# Altium PCB Rectifire_(PFC).PcbDoc
Units mil, origin at the board's own origin, x right, y up, seen from the top; angles counter-clockwise.
Board outline 6000 x 4000 mil, 2 copper layers (Top Layer, Bottom Layer); 232 components, 115 nets, 606 pads, 0 vias.
Unrouted connection lines stored in the file: 481.
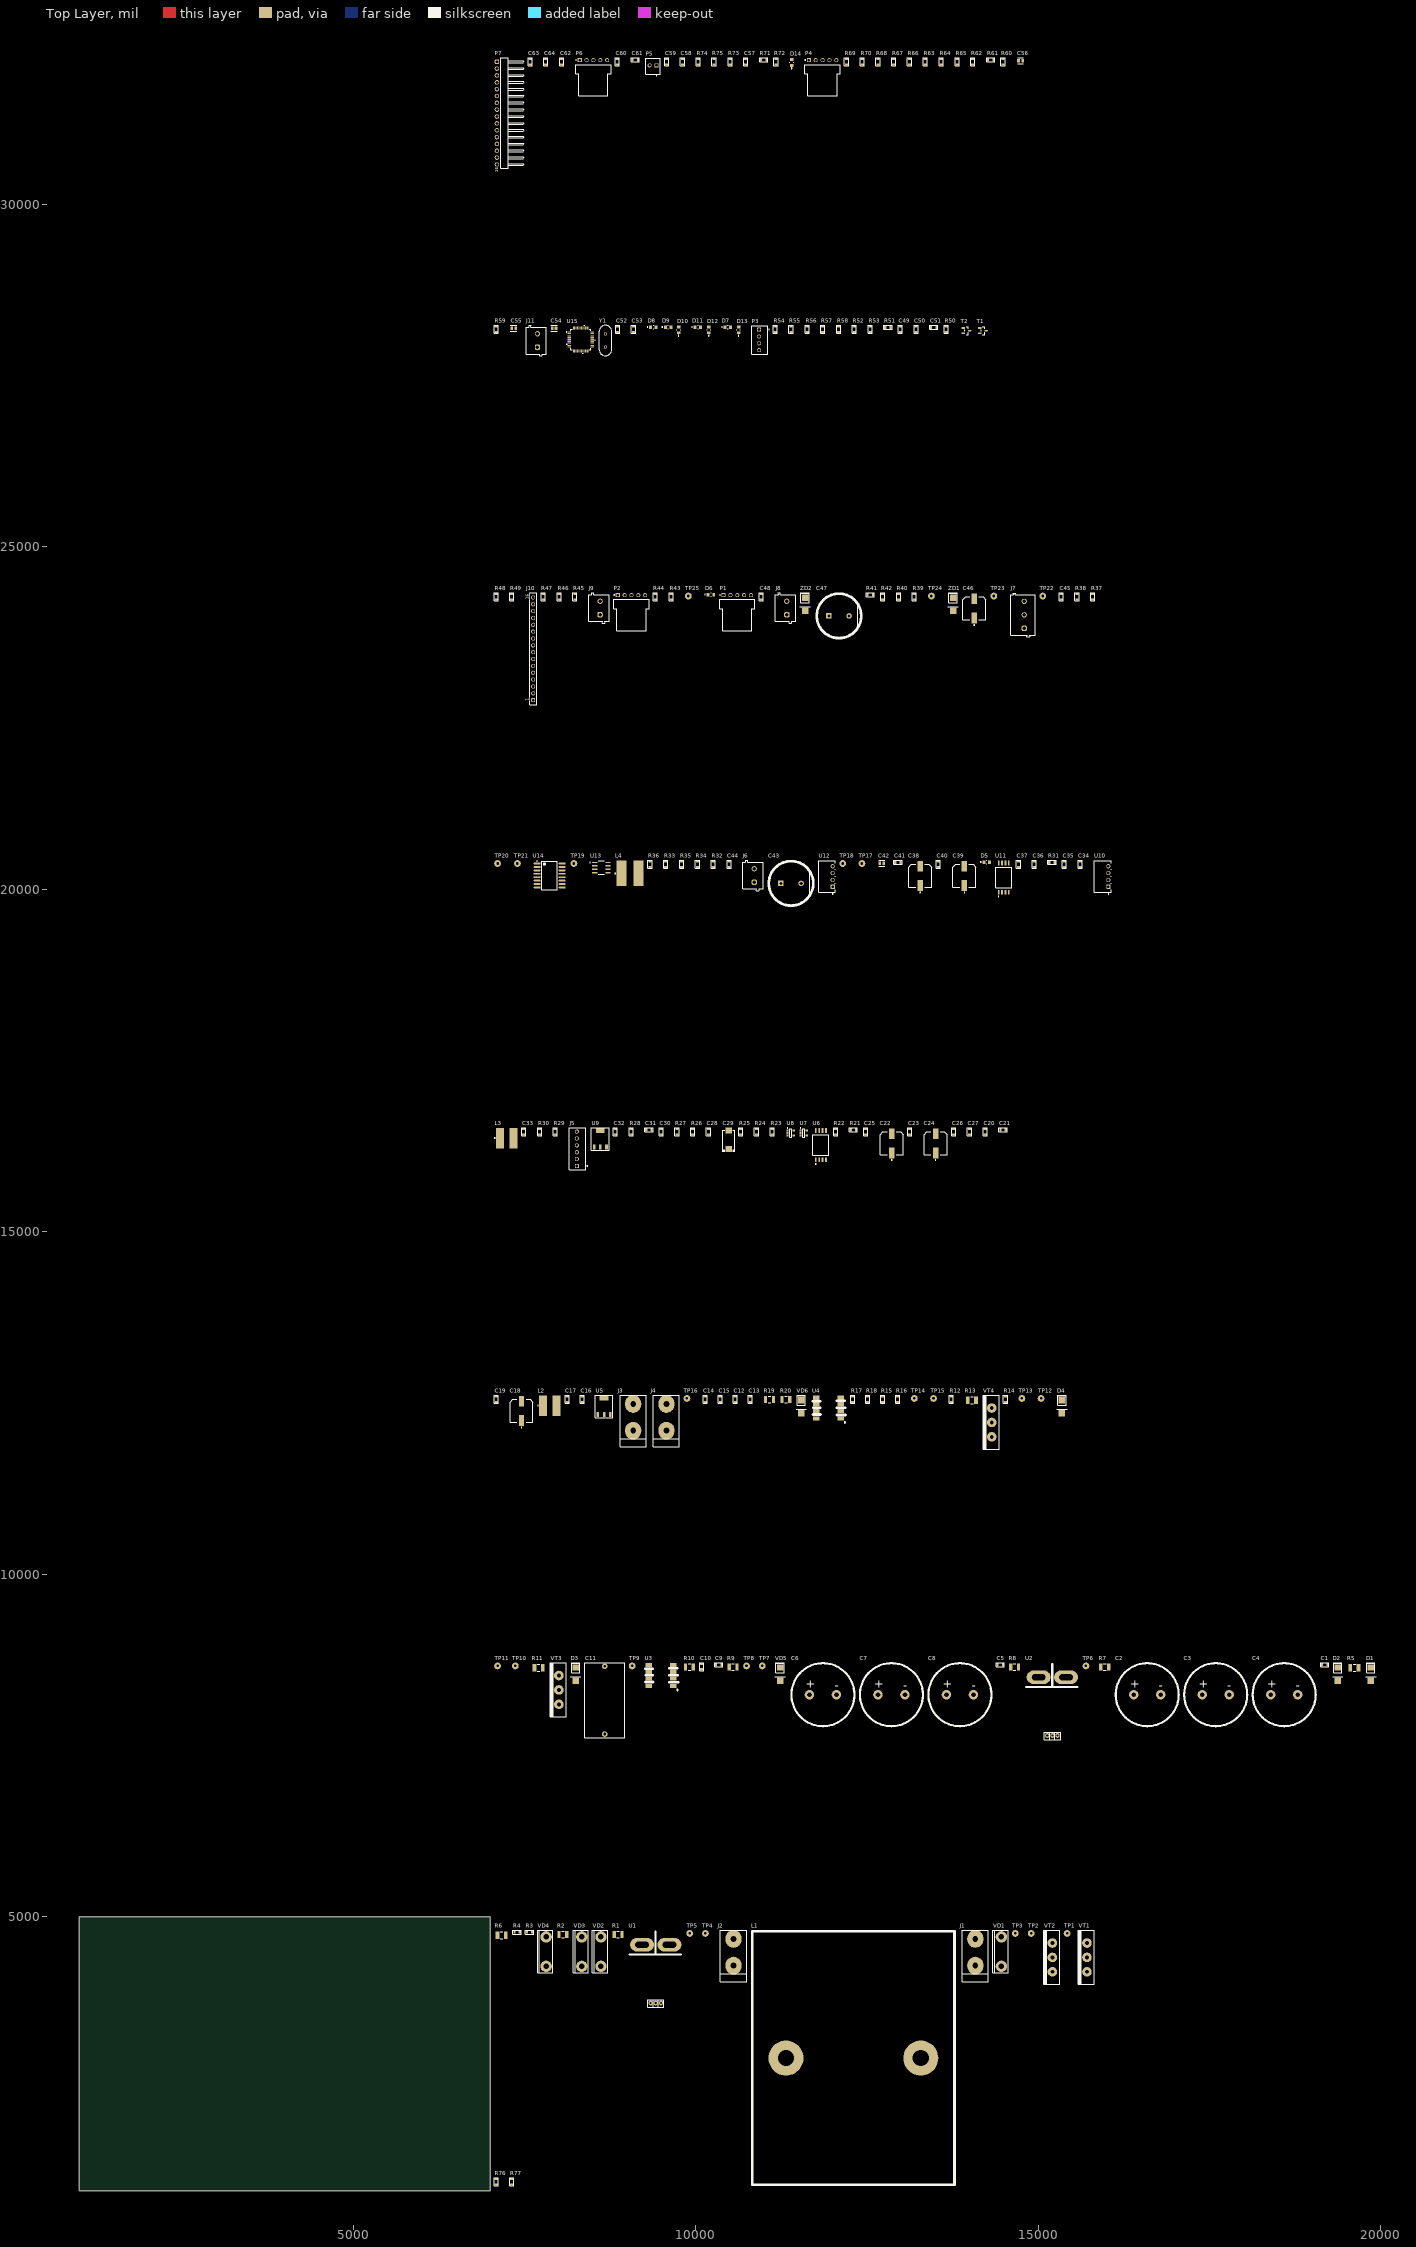
[diagram p0: Top Layer view]
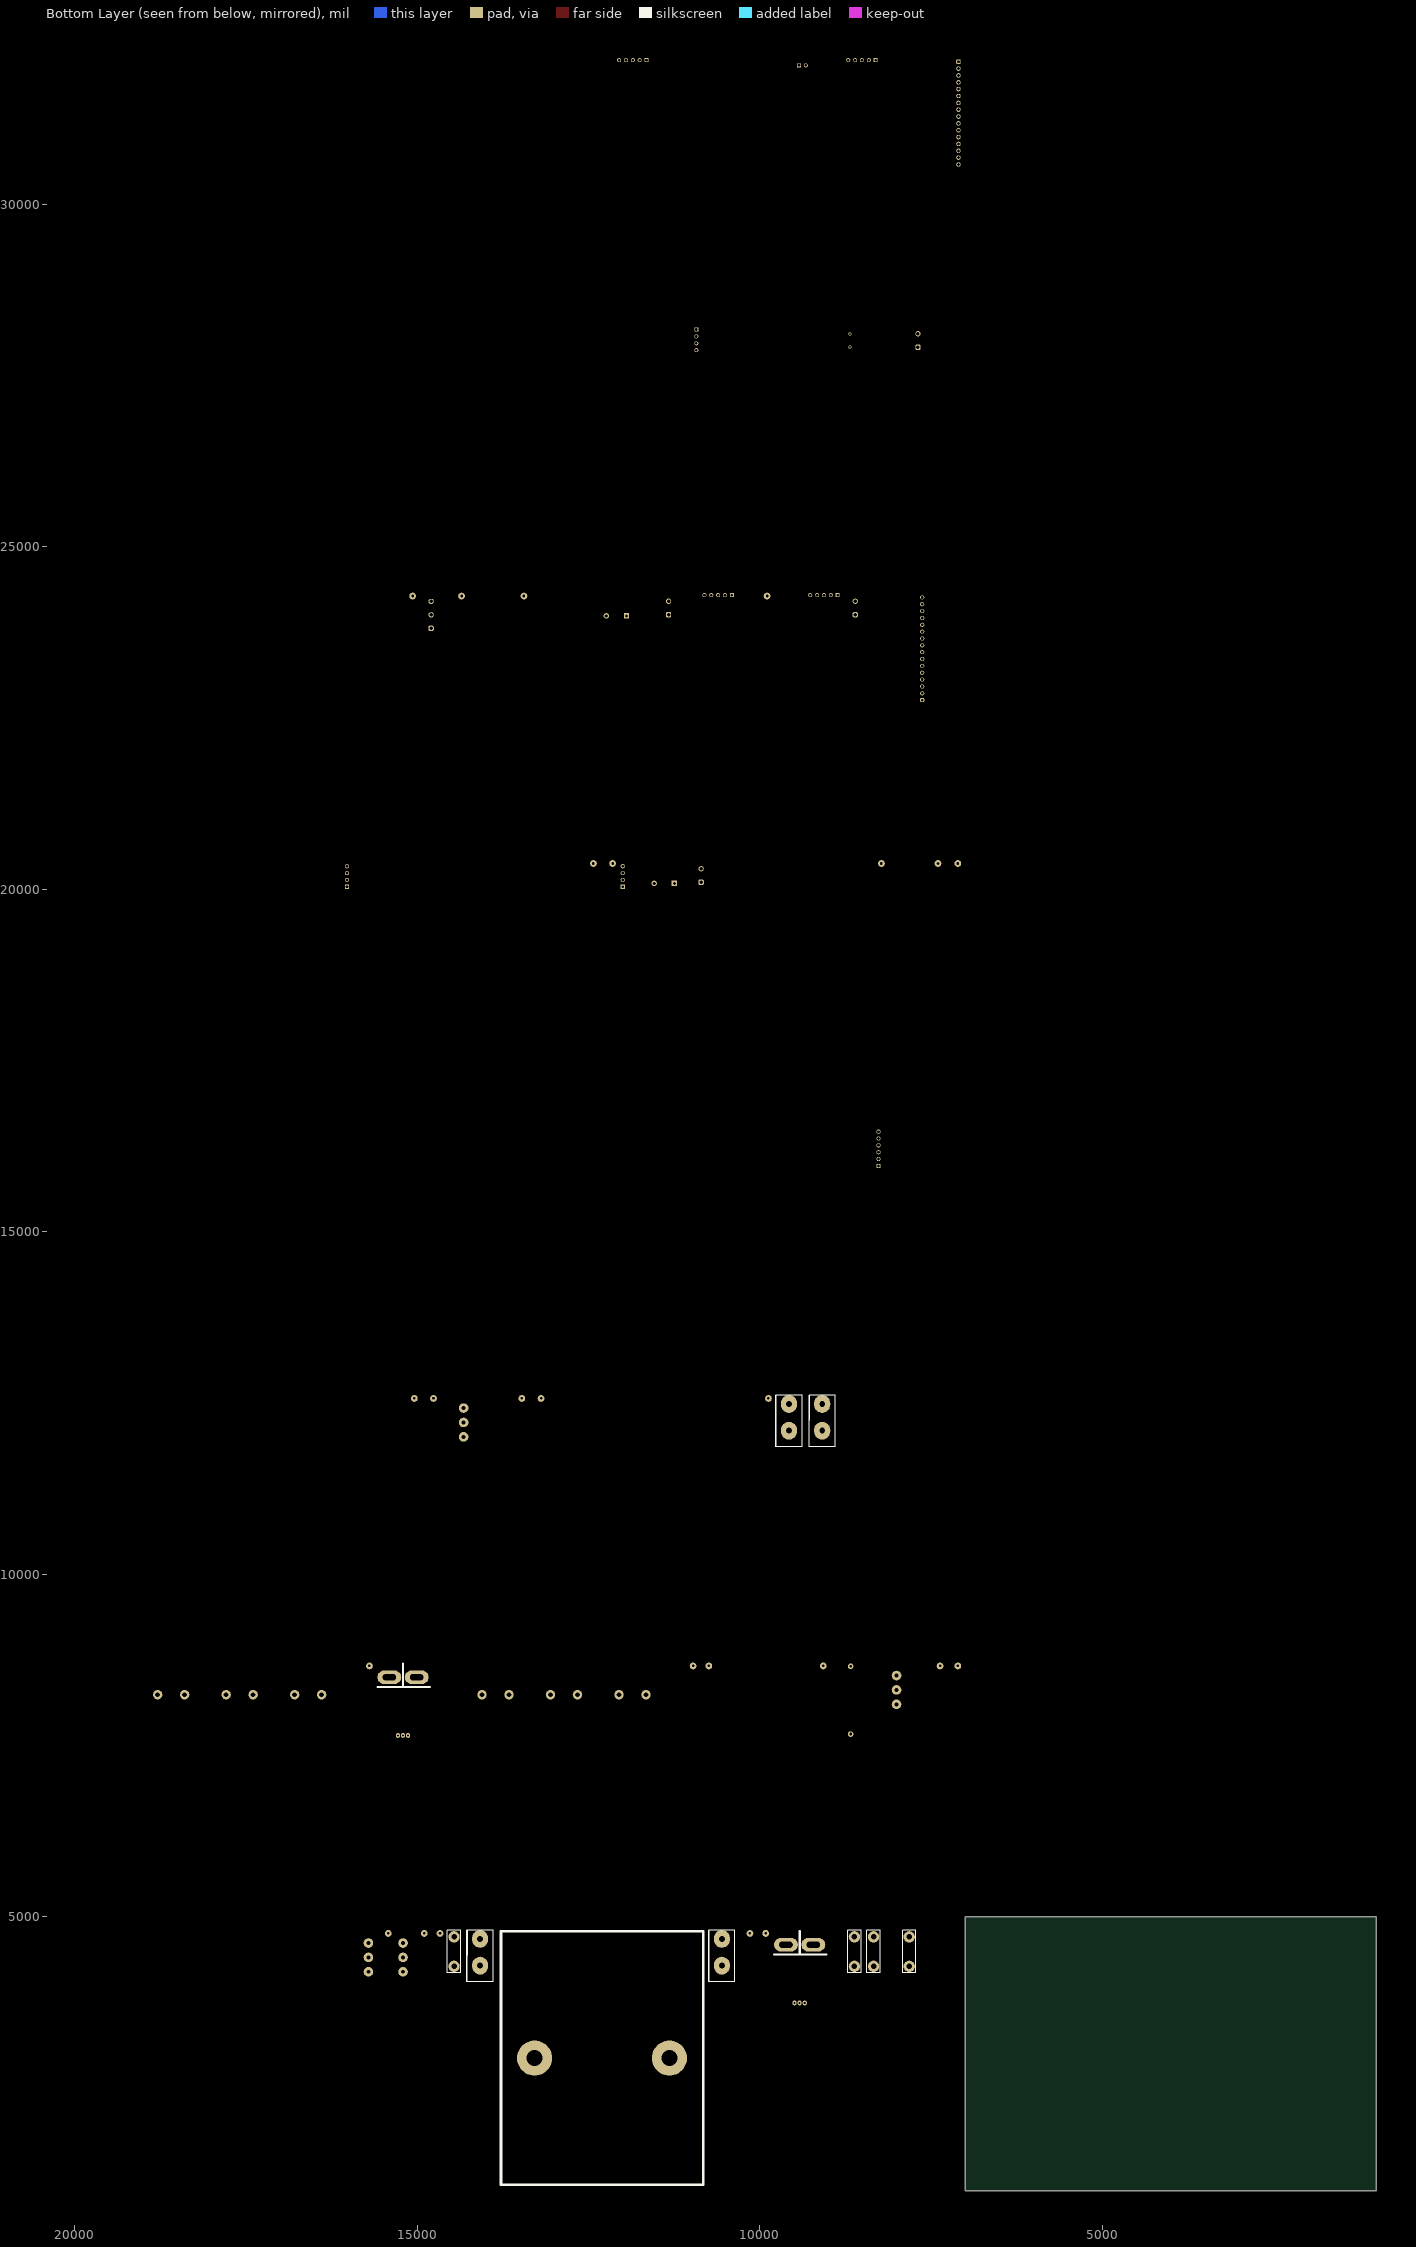
[diagram p1: Bottom Layer view, seen from below]

## Layer stack, top to bottom
Top Solder: solder mask 0.4, Solder Resist, Dk 3.5
Top Layer: signal copper 1.4
Dielectric 1: dielectric 12.6, FR-4, Dk 4.8
Bottom Layer: signal copper 1.4
Bottom Solder: solder mask 0.4, Solder Resist, Dk 3.5

## Board outline
1000,1000 7000,1000 7000,5000 1000,5000

## Design rules (kind name [scope] priority, off if disabled: settings)
Clearance [All] p1: gap=10 ignorepadtopadclearanceinfootprint=FALSE except(0: Arc-Hole Track-Hole SMDPad-Hole THPad-Hole Via-Hole Fill-Hole Poly-Hole Region-Hole Text-Hole)
PolygonConnect [All] p1: connectstyle=Relief reliefconductorwidth=10 reliefentries=4 polygonreliefangle="90 Angle" airgapwidth=10
RoutingVias [All] p1: holewidth=28 width=50 viastyle="Through Hole" minholewidth=28 minwidth=50 maxholewidth=28 maxwidth=50
SolderMaskExpansion [All] p1: expansion=4 istentingtop=FALSE
Width [All] p1: maxlimit=10 minlimit=10 preferedwidth=10
30 further rules are at their usual default settings.

## Components (designator, comment, footprint, x,y, rotation, side; value= is the part's Value field where it differs from the comment)
C1 "1uF" CAP-0805 19180,8680 r0 top
C2 "CAP-POLAR" "CAP 100uF_500V 22x40mm" 16590,8240 r0 top
C3 "CAP-POLAR" "CAP 100uF_500V 22x40mm" 17590,8240 r0 top
C4 "CAP-POLAR" "CAP 100uF_500V 22x40mm" 18590,8240 r0 top
C5 "1uF" CAP-0805 14445,8680 r0 top
C6 "CAP-POLAR" "CAP 100uF_500V 22x40mm" 11855,8240 r0 top
C7 "CAP-POLAR" "CAP 100uF_500V 22x40mm" 12855,8240 r0 top
C8 "CAP-POLAR" "CAP 100uF_500V 22x40mm" 13855,8240 r0 top
C9 "0.1uF" CAP-0805 10335,8680 r0 top
C10 "0.1uF" CAP-0805 10085,8650 r90 top
C11 "CAP-NON-POLAR" CAP_4.7uF_630V 8670,8160 r90 top
C12 "0.33uF" CAP-0805 10575,12555 r90 top
C13 "0.33uF" CAP-0805 10795,12555 r90 top
C14 "0.1uF" CAP-0805 10135,12555 r90 top
C15 "0.1uF" CAP-0805 10355,12555 r90 top
C16 "0.1uF" CAP-0805 8340,12555 r90 top
C17 "0.1uF" CAP-0805 8120,12555 r90 top
C18 "CAP-POLAR" SIZE_EEE 7455,12385 r90 top
C19 "0.1uF" CAP-0805 7085,12555 r90 top
C20 "0.1uF" CAP-0805 14225,16460 r90 top
C21 "0.1uF" CAP-0805 14485,16490 r0 top
C22 "CAP-POLAR" SIZE_EEE 12860,16290 r90 top
C23 "0.1uF" CAP-0805 13125,16460 r90 top
C24 "CAP-POLAR" SIZE_EEE 13500,16290 r90 top
C25 "0.1uF" CAP-0805 12480,16460 r90 top
C26 "0.1uF" CAP-0805 13765,16460 r90 top
C27 "0.1uF" CAP-0805 13995,16460 r90 top
C28 "0.1uF" CAP-0805 10185,16460 r90 top
C29 "47uF_16V" CAP-TAN-D 10480,16340 r90 top
C30 "1000pF" CAP-0805 9495,16460 r90 top
C31 "0.1uF" CAP-0805 9315,16490 r0 top
C32 "1000pF" CAP-0805 8825,16460 r90 top
C33 "0.1uF" CAP-0805 7490,16460 r90 top
C34 "0.1uF" CAP-0805 15610,20365 r90 top
C35 "0.1uF" CAP-0805 15380,20365 r90 top
C36 "0.1uF" CAP-0805 14940,20365 r90 top
C37 "0.1uF" CAP-0805 14710,20365 r90 top
C38 "CAP-POLAR" SIZE_EEE 13275,20195 r90 top
C39 "CAP-POLAR" SIZE_EEE 13920,20195 r90 top
C40 "0.1uF" CAP-0805 13540,20365 r90 top
C41 "0.1uF" CAP-0805 12950,20395 r0 top
C42 "C0805C224K5RACTU" FP-C0805C-DN-MFG 12715,20380 r0 top value="0.22 μF"
C43 "1000uF_50V" CAPPOL-16x25 11390,20085 r0 top
C44 "0.1uF" CAP-0805 10485,20365 r90 top
C45 "0.1uF" CAP-0805 15335,24270 r90 top
C46 "CAP-POLAR" SIZE_EEE 14065,24100 r90 top
C47 "1000uF_50V" CAPPOL-16x25 12090,23990 r0 top
C48 "0.1uF" CAP-0805 10955,24270 r90 top
C49 "0.1uF" CAP-0805 12985,28175 r90 top
C50 "0.1uF" CAP-0805 13215,28175 r90 top
C51 "0.1uF" CAP-0805 13475,28205 r0 top
C52 "0.1uF" CAP-0805 8860,28175 r90 top
C53 "0.1uF" CAP-0805 9090,28175 r90 top
C54 "16pF" FP-GRM21B-0_1-IPC_C 7930,28190 r0 top
C55 "16pF" FP-GRM21B-0_1-IPC_C 7340,28190 r0 top
C56 "0.22 UF" FP-C0805C-DN-MFG 14740,32095 r0 top value="0.22 μF"
C57 "22pF" CAP-0805 10730,32080 r90 top
C58 "22pF" CAP-0805 9805,32080 r90 top
C59 "22pF" CAP-0805 9575,32080 r90 top
C60 "22pF" CAP-0805 8855,32080 r90 top
C61 "22pF" CAP-0805 9115,32110 r0 top
C62 "22pF" CAP-0805 8045,32080 r90 top
C63 "22pF" CAP-0805 7580,32080 r90 top
C64 "22pF" CAP-0805 7810,32080 r90 top
D1 "US1G" DO-214AA 19855,8460 r90 top
D2 "US1G" DO-214AA 19370,8460 r90 top
D3 "US1G" DO-214AA 8245,8460 r90 top
D4 "US1G" DO-214AA 15345,12365 r90 top
D5 "151031YS06000" LED_GREEN 14245,20395 r0 top
D6 "LED" LED_BLUE 10220,24300 r0 top
D7 "151031YS06000" LED_BLUE 10465,28205 r0 top
D8 "151031YS06000" LED_RED 9380,28205 r0 top
D9 "151031YS06000" LED_YELLOW 9595,28205 r0 top
D10 "151031YS06000" LED_GREEN 9750,28165 r90 top
D11 "151031YS06000" LED_BLUE 10030,28205 r0 top
D12 "151031YS06000" LED_BLUE 10190,28165 r90 top
D13 "151031YS06000" LED_BLUE 10625,28165 r90 top
D14 "151031YS06000" LED_RED 11400,32070 r90 top
J1 "MG_136_HT" Conn_MEIGAN_MG136HT 14080,4385 r0 top
J2 "MG_136_HT" Conn_MEIGAN_MG136HT 10550,4385 r0 top
J3 "MG_136_HT" Conn_MEIGAN_MG136HT 9085,12195 r0 top
J4 "MG_136_HT" Conn_MEIGAN_MG136HT 9570,12195 r0 top
J5 "SWR25X-NRTC-S06-ST-BA" Sullins_SWR25X-NRTC-S06-ST-BA_MFG 8275,16210 r90 top
J6 "691102710002" 691102710002 10835,20200 r90 top
J7 "" 691101710003 14775,24005 r90 top
J8 "691102710002" 691102710002 11310,24105 r90 top
J9 "691102710002" 691102710002 8585,24105 r90 top
J10 "61301611821" 61301611821 7625,23510 r90 top
J11 "691102710002" 691102710002 7670,28010 r90 top
L1 "Coil" 30A_10uH 12300,2935 r90 top
L2 "1000µH, 0.3A" WE-PD2_7850 7870,12460 r0 top
L3 "1000µH, 0.3A" WE-PD2_7850 7240,16365 r0 top
L4 "744776227" WE-PD2_1054 59040,70230 r0 top
P1 "61900511021" 61900511021 10605,24000 r0 top
P2 "61900511021" 61900511021 9060,24000 r0 top
P3 "61900411121" 61900411121 10935,28020 r90 top
P4 "61900511021" 61900511021 11850,31810 r0 top
P5 "61900211121" 61900211121 9375,32015 r0 top
P6 "61900511021" 61900511021 8505,31810 r0 top
P7 "61301611021" 61301611021 7205,31330 r90 top
R1 "RES_1210" RES_SMD_1210_IPC_B 8865,4740 r0 top
R2 "RES_1210" RES_SMD_1210_IPC_B 8060,4740 r0 top
R3 "4.7K" RES-0805 7570,4775 r0 top
R4 "4.7K" RES-0805 7390,4775 r0 top
R5 "10E" RES_SMD_1210_IPC_A 19615,8635 r0 top
R6 "10E" RES_SMD_1210_IPC_A 7165,4730 r0 top
R7 "RES_1210" RES_SMD_1210_IPC_B 15970,8645 r0 top
R8 "RES_1210" RES_SMD_1210_IPC_B 14655,8645 r0 top
R9 "RES_1210" RES_SMD_1210_IPC_B 10545,8645 r0 top
R10 "RES_1210" RES_SMD_1210_IPC_B 9905,8645 r0 top
R11 "10E" RES_SMD_1210_IPC_A 7705,8635 r0 top
R12 "1K" RES-0805 13730,12555 r90 top
R13 "10E" RES_SMD_1210_IPC_A 14030,12540 r0 top
R14 "1K" RES-0805 14520,12555 r90 top
R15 "4.7K" RES-0805 12730,12555 r90 top
R16 "4.7K" RES-0805 12950,12555 r90 top
R17 "1M" RES-0805 12290,12555 r90 top
R18 "1M" RES-0805 12510,12555 r90 top
R19 "RES_1210" RES_SMD_1210_IPC_B 11075,12550 r0 top
R20 "RES_1210" RES_SMD_1210_IPC_B 11315,12550 r0 top
R21 "10K" RES-0805 12300,16490 r0 top
R22 "10K" RES-0805 12040,16460 r90 top
R23 "1K" RES-0805 11115,16460 r90 top
R24 "1K" RES-0805 10885,16460 r90 top
R25 "10K" RES-0805 10655,16460 r90 top
R26 "10K" RES-0805 9955,16460 r90 top
R27 "47K" RES-0805 9725,16460 r90 top
R28 "47K" RES-0805 9055,16460 r90 top
R29 "10K" RES-0805 7950,16460 r90 top
R30 "10K" RES-0805 7720,16460 r90 top
R31 "220" RES-0805 15200,20395 r0 top
R32 "10K" RES-0805 10255,20365 r90 top
R33 "10K" RES-0805 9560,20365 r90 top
R34 "10K" RES-0805 10025,20365 r90 top
R35 "10K" RES-0805 9795,20365 r90 top
R36 "10K" RES-0805 9330,20365 r90 top
R37 "100" RES-0805 15795,24270 r90 top
R38 "100" RES-0805 15565,24270 r90 top
R39 "10K" RES-0805 13190,24270 r90 top
R40 "220" RES-0805 12960,24270 r90 top
R41 "10K" RES-0805 12545,24300 r0 top
R42 "10K" RES-0805 12730,24270 r90 top
R43 "1K" RES-0805 9640,24270 r90 top
R44 "1K" RES-0805 9405,24270 r90 top
R45 "1K" RES-0805 8235,24270 r90 top
R46 "1K" RES-0805 8005,24270 r90 top
R47 "1K" RES-0805 7770,24270 r90 top
R48 "10K" RES-0805 7085,24270 r90 top
R49 "1K" RES-0805 7315,24270 r90 top
R50 "10K" RES-0805 13655,28175 r90 top
R51 "10K" RES-0805 12805,28205 r0 top
R52 "220" RES-0805 12315,28175 r90 top
R53 "220" RES-0805 12545,28175 r90 top
R54 "220" RES-0805 11160,28175 r90 top
R55 "220" RES-0805 11390,28175 r90 top
R56 "220" RES-0805 11625,28175 r90 top
R57 "220" RES-0805 11855,28175 r90 top
R58 "220" RES-0805 12085,28175 r90 top
R59 "1K" RES-0805 7085,28175 r90 top
R60 "10K" RES-0805 14485,32080 r90 top
R61 "100" RES-0805 14305,32110 r0 top
R62 "220" RES-0805 14045,32080 r90 top
R63 "220K" RES-0805 13350,32080 r90 top
R64 "220K" RES-0805 13585,32080 r90 top
R65 "220K" RES-0805 13815,32080 r90 top
R66 "100" RES-0805 13120,32080 r90 top
R67 "20K" RES-0805 12890,32080 r90 top
R68 "10K" RES-0805 12660,32080 r90 top
R69 "100" RES-0805 12200,32080 r90 top
R70 "10K" RES-0805 12430,32080 r90 top
R71 "22K" RES-0805 10990,32110 r0 top
R72 "22K" RES-0805 11170,32080 r90 top
R73 "220K" RES-0805 10500,32080 r90 top
R74 "220K" RES-0805 10035,32080 r90 top
R75 "220K" RES-0805 10265,32080 r90 top
R76 "10K" RES-0805 7085,1130 r90 top
R77 "10K" RES-0805 7315,1130 r90 top
T1 "BC847C" SOT23-3_IPC_A 14190,28155 r0 top
T2 "BC847C" SOT23-3_IPC_A 13950,28155 r0 top
TP1 "Test_Point_PCB" Test_Point 15420,4755 r0 top
TP2 "Test_Point_PCB" Test_Point 14895,4755 r0 top
TP3 "Test_Point_PCB" Test_Point 14665,4755 r0 top
TP4 "Test_Point_PCB" Test_Point 10140,4755 r0 top
TP5 "Test_Point_PCB" Test_Point 9910,4755 r0 top
TP6 "Test_Point_PCB" Test_Point 15695,8660 r0 top
TP7 "Test_Point_PCB" Test_Point 10970,8660 r0 top
TP8 "Test_Point_PCB" Test_Point 10740,8660 r0 top
TP9 "Test_Point_PCB" Test_Point 9070,8660 r0 top
TP10 "Test_Point_PCB" Test_Point 7365,8660 r90 top
TP11 "Test_Point_PCB" Test_Point 7105,8660 r90 top
TP12 "Test_Point_PCB" Test_Point 15040,12565 r90 top
TP13 "Test_Point_PCB" Test_Point 14760,12565 r90 top
TP14 "Test_Point_PCB" Test_Point 13190,12565 r90 top
TP15 "Test_Point_PCB" Test_Point 13470,12565 r90 top
TP16 "Test_Point_PCB" Test_Point 9870,12565 r90 top
TP17 "Test_Point_PCB" Test_Point 12425,20375 r90 top
TP18 "" Test_Point 12145,20375 r90 top
TP19 "Test_Point_PCB" Test_Point 8220,20375 r90 top
TP20 "Test_Point_PCB" Test_Point 7105,20375 r90 top
TP21 "Test_Point_PCB" Test_Point 7395,20375 r90 top
TP22 "Test_Point_PCB" Test_Point 15065,24280 r90 top
TP23 "Test_Point_PCB" Test_Point 14350,24280 r90 top
TP24 "" Test_Point 13440,24280 r90 top
TP25 "Test_Point_PCB" Test_Point 9890,24280 r90 top
U1 "ACS758" ACS758-100 9415,4125 r0 top
U2 "ACS758" ACS758-100 15205,8030 r0 top
U3 "HCPL-3120" HCPL-3120 9490,8520 r0 top
U4 "HCPL-3120" HCPL-3120 11935,12425 r0 top
U5 "AMS1117-3v3" SOT-223-3 8660,12450 r0 top
U6 "AMC1311" FP-DWV0008A-MFG 11825,16265 r90 top
U7 "" SOT-23-5 11575,16440 r0 top
U8 "" SOT-23-5 11385,16440 r0 top
U9 "AMS1117-3v3" SOT-223-3 8605,16355 r0 top
U10 "B0505S-1W" B0505S-1W 15940,20185 r90 top
U11 "AMC1311" FP-DWV0008A-MFG 14495,20170 r90 top
U12 "B0505S-1W" B0505S-1W 11915,20185 r90 top
U13 "MAX485" SOIC-8-MFG 8620,20315 r0 top
U14 "ADUM1401BRWZ" ADI-RW-16_M 7865,20200 r0 top
U15 "STM32F303CCT6" LQFP48-7x7mm 8320,28025 r0 top
VD1 "MUR4060" TO-247-2 14460,4490 r90 top
VD2 "MUR4060" TO-247-2 8615,4490 r90 top
VD3 "MUR4060" TO-247-2 8335,4490 r90 top
VD4 "MUR4060" TO-247-2 7815,4490 r90 top
VD5 "Suppressor" DO-214AA 11230,8460 r90 top
VD6 "Suppressor" DO-214AA 11540,12365 r90 top
VT1 "IGBT 60N120T" TO-264-3 15685,4405 r90 top
VT2 "IGBT 60N120T" TO-264-3 15180,4405 r90 top
VT3 "IGBT 60N120T" TO-264-3 7975,8310 r90 top
VT4 "IGBT 60N120T" TO-264-3 14295,12215 r90 top
Y1 "FOXSLF/120-20" FOX-FOXSLF-2_V 8680,28010 r90 top
ZD1 "P6SMB16CA" DO-214AA 13755,24080 r90 top
ZD2 "P6SMB16CA" DO-214AA 11595,24080 r90 top
